# Allegro board BeagleBone_AI-64_Rev_B1_PCB_220602.brd (continued)
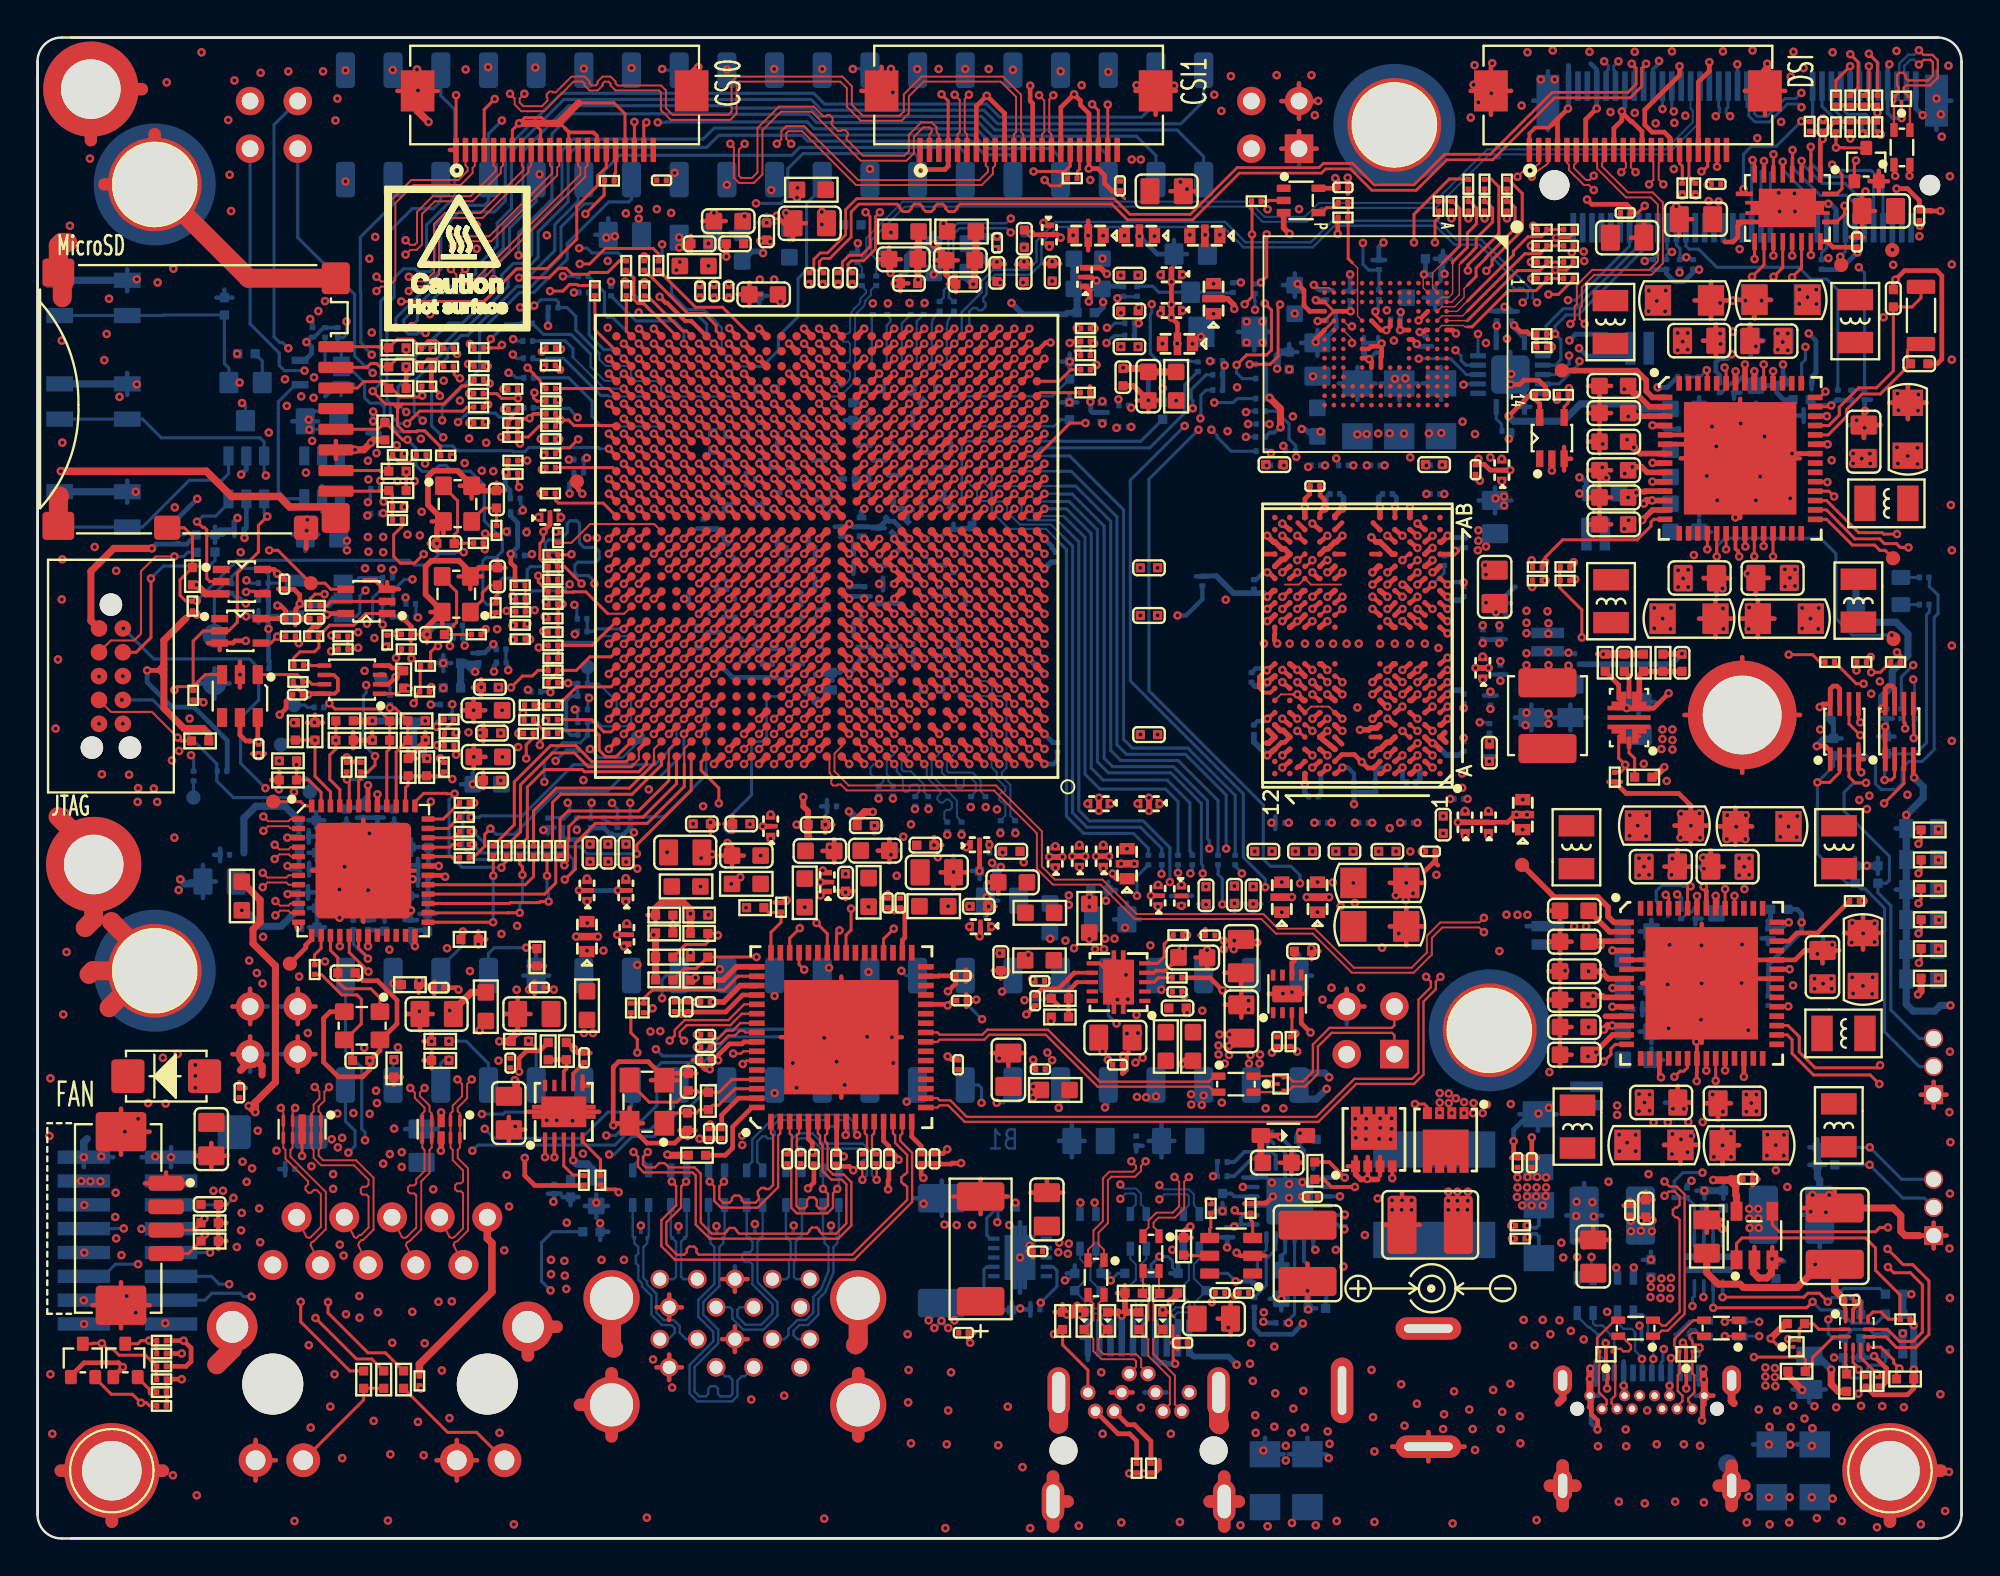
[diagram p0: board, top side]
## Copper pours and planes (outline as drawn; the poured copper is in the pictures) (continued)
DC_VDD_5V on BOTTOM: 86.51,14.16 85.7,14.16 85.49,13.96 85.49,12.92 85.9,12.51 87.42,12.51 87.93,13.02 87.93,13.99 88.09,14.14 88.77,14.14 88.85,14.22 88.85,14.44 88.8,14.49 86.84,14.49
DC_VDD_5V on BOTTOM: 63.22,29.02 63.22,30.67 62.91,30.98 61.47,30.98 60.98,30.5 60.98,23.26 61.42,22.83 63.35,22.83 63.65,23.13 63.65,28.59
DC_VDD_5V on L3-SIGNAL: 75.26,10.48 65.48,10.48 61.06,14.9 61.06,23.87 61.42,24.22 65.78,24.22 66.39,23.61 66.39,17.57 68.25,15.71 75.13,15.71 75.84,15 75.84,11.07
MB_3V3 on TOP: 5.41,25.57 2.64,25.57 1.73,24.65 1.73,19.17 2.16,18.74 3.48,18.74 3.63,18.89 3.63,23.38 4.01,23.77 5.46,23.77 5.64,23.94 5.64,25.34
MB_5V on BOTTOM: 5.97,19.4 8.56,19.4 8.76,19.6 8.76,21.68 9.57,22.5 10.92,22.5 11.35,22.06 11.35,19.12 10.74,18.51 8.76,18.51 8.56,18.71 5.99,18.71 5.76,18.94 5.76,19.19
PHY_VDD_1V1 on TOP: 26.9,27.68 26.9,29.94 27.05,30.09 29.21,30.09 29.67,29.63 29.67,28.95 29.46,28.74 28.73,28.74 28.34,28.36 28.34,27.58 28.04,27.27 27.3,27.27
PHY_VDD_1V1 on L5-SIGNAL: 21.44,35.55 13.18,35.55 12.98,35.75 12.98,36.67 16.69,40.38 20.5,40.38 21.74,39.13 21.74,35.86
PHY_VDD_1V1 on L9-PWR/GND: 23.47,29.89 22.6,30.75 19.81,30.75 19.38,31.18 19.38,33.49 19.58,33.7 22.12,33.7 22.76,34.33 22.76,35.6 22.63,35.73 21.64,35.73 21.54,35.63 20.85,35.63 20.72,35.75 20.72,39.39 20.95,39.62 21.87,39.62 22.05,39.44 27.53,39.44 28.4,38.57 28.4,28.29 27.81,27.7 24.03,27.7 23.47,28.26
PHY_VDDA_2V5 on BOTTOM: 10.11,33.37 10.28,33.19 11.22,33.19 11.38,33.34 11.38,36.49 11.15,36.72 10.26,36.72 10.11,36.57
PHY_VDDIO_3V3 on TOP: 21.66,27.58 21.66,28.87 21.56,28.97 21.56,29.51 21.82,29.76 24.08,29.76 24.28,29.56 24.28,28.92 24.03,28.67 23.37,28.67 23.06,28.36 23.06,27.55 22.68,27.17 22.07,27.17
PHY_VDDIO_3V3 on L9-PWR/GND: 22.83,28.16 22.83,29.68 22.1,30.42 18.67,30.42 18.36,30.73 18.36,33.42 19.2,34.26 21.79,34.26 22.12,34.59 22.12,35.3 21.94,35.48 21.56,35.48 21.49,35.4 19.84,35.4 19.33,35.91 19.33,42.43 17.83,43.93 13.41,43.93 12.49,43.02 12.49,41.19 14.86,38.83 14.86,28.85 16,27.7 22.38,27.7
SW_LM5141 on TOP: 74.47,22.47 74.47,24.15 74.7,24.38 76.4,24.38 76.96,23.82 77.29,23.82 77.47,23.64 77.47,22.85 77.01,22.39 75.82,22.39 75.77,22.44 75.77,22.98 75.72,23.03 75.59,23.03 75.56,23 75.56,22.44 75.49,22.37 75.16,22.37 75.11,22.42 75.11,23 75.08,23.03 74.95,23.03 74.93,23 74.93,22.44 74.88,22.39 74.55,22.39
SW_LM5141 on BOTTOM: 67.84,21.43 69.31,22.9 73.23,22.9 73.51,23.18 73.51,23.84 73.71,24.05 75.21,24.05 75.54,23.71 75.69,23.71 75.89,23.51 76.07,23.51 76.15,23.44 77.32,23.44 77.49,23.26 77.49,22.17 77.67,21.99 77.67,19.96 77.49,19.78 68.43,19.78 68.25,19.6 67.92,19.6 67.84,19.68
TPS62813_SW on TOP: 85.55,43.88 82.62,43.88 81.71,42.97 78.86,42.97 78.71,42.82 78.71,40.71 78.89,40.53 82.24,40.53 83.56,41.85 83.56,43.58 83.64,43.65 85.55,43.65 85.62,43.73 85.62,43.81
TYPEC_VBUS_5V on BOTTOM: 89.36,14.44 91.9,14.44 92.23,14.11 92.86,14.11 93.01,13.96 93.01,13.43 95.35,11.09 95.35,9.47 95.1,9.21 93.72,9.21 92.86,8.35 92.86,8.02 92.73,7.89 91.92,7.89 91.79,8.02 91.79,10.2 92.07,10.48 92.07,11.75 91.9,11.93 91.01,11.93 90.12,12.82 90.12,13.96 89.91,14.16 89.36,14.16 89.28,14.24 89.28,14.37
TYPEC_VBUS_5V on L9-PWR/GND: 87.42,7.28 84.3,7.28 84.02,7.56 84.02,10.89 87.3,14.16 93.62,14.16 95.88,11.9 95.88,8.22 95.5,7.84 91.95,7.84 91.67,8.12 91.67,9.64 91.41,9.9 89,9.9 87.78,8.68 87.78,7.64
VDA_DLL_0V8 on TOP: 53.65,32.89 53.65,34.39 53.8,34.54 55.24,34.54 55.34,34.43 55.34,32.99 55.04,32.69 53.85,32.69
VDA_DLL_0V8 on L7-PWR/GND: 61.01,60.44 61.49,60.93 61.49,67.02 60.02,68.5 56.69,68.5 56.44,68.24 56.44,62.81 58.8,60.44
VDA_DLL_0V8 on L8-PWR/GND: 86.43,56.35 83.77,56.35 82.8,57.32 81.48,57.32 80.97,56.81 80.97,54.32 83.18,52.11 83.18,48.78 77.37,42.97 66.83,42.97 57.2,33.34 53.16,33.34 52.73,33.77 52.73,38.57 64.23,50.08 79.98,50.08 80.26,50.36 80.26,51.5 78.51,53.26 78.51,58.94 80.16,60.6 85.77,60.6 86.94,59.43 86.94,56.86
VDA_DLL_0V8 on L10-SIGNAL: 60.48,60.8 65.96,60.8 66.55,60.21 76.58,60.21 76.66,60.29 80.16,60.29 80.47,59.99 80.95,59.99 82.09,58.84 85.16,58.84 85.57,58.44 85.57,56.84 85.24,56.51 80.39,56.51 78.74,58.16 73.48,58.16 72.59,57.27 61.64,57.27 60.2,58.72 60.2,60.52
VDA_MCU_1V8 on TOP: 85.37,58.97 84.55,58.97 84.38,58.79 84.38,57.95 84.71,57.62 85.9,57.62 86.08,57.8 86.08,58.26
VDA_MCU_1V8 on L9-PWR/GND: 30.86,51.63 30.86,51.66 31.06,51.86 37.1,51.86 37.13,51.83 37.13,51.4 36.98,51.25 36.47,51.25 36.32,51.1 36.32,50.69 36.19,50.56 35.66,50.56 35.53,50.44 35.53,47.74 36.27,47.01 36.27,45.82 35.94,45.49 35.51,45.49 29.87,39.84 22.73,39.84 16.76,45.81 16.76,67.33 26.16,76.72 60.07,76.72 61.36,75.43 67.94,75.43 68.76,74.62 68.76,73.37 69.52,72.61 70.15,72.61 70.81,71.95 73.76,71.95 74.42,72.61 95.81,72.61 98.8,69.61 98.8,59.99 96.62,57.8 84.63,57.8 84.25,58.18 84.25,61.28 84.83,61.87 90.6,61.87 91.16,62.42 91.16,66.69 89.48,68.37 83.64,68.37 82.9,69.1 81.13,69.1 80.39,68.37 71.22,68.37 70.14,69.45 68.06,69.45 65.81,71.7 60.5,71.7 59.59,72.61 30.78,72.61 21.26,63.08 21.26,46.93 22.48,45.71 24.94,45.71
VDA_PLL_1V8 on TOP: 82.47,31 83.21,31 84.22,29.99 84.22,29.79 84.1,29.66 82.47,29.66 82.24,29.89 82.24,30.78
VDA_PLL_1V8 on TOP: 39.22,69.43 38.56,69.43 38.4,69.59 38.4,70.43 38.12,70.7 37.34,70.7 37.13,70.5 37.13,69.61 37.39,69.36 37.39,68.72 37.23,68.57 37.23,67.99 37.46,67.76 38.73,67.76 39.47,68.5 39.47,69.18
VDA_PLL_1V8 on BOTTOM: 40.54,68.67 39.6,68.67 39.42,68.85 39.42,69.28 39.29,69.41 38.33,69.41 38.17,69.26 38.17,68.67 38.05,68.55 37.34,68.55 37.16,68.37 37.16,67.58 37.46,67.28 40.31,67.28 40.71,67.68 40.71,68.5
VDA_PLL_1V8 on L3-SIGNAL: 47.62,46.68 47.62,59.33 40.64,66.31 38.5,66.31 38,66.82 38,67.56 39.37,68.93 39.37,70.12 38.43,71.06 35.18,71.06 34.47,70.35 34.47,65.35 35.23,64.58 37.06,64.58 37.95,63.69 37.95,60.16 36.6,58.82 36.6,52.42 36.88,52.14 39.39,52.14 39.62,51.91 39.62,50 39.85,49.78 43.18,49.78 46.61,46.35 47.29,46.35
VDA_PLL_1V8 on L7-PWR/GND: 5.36,40.33 8.53,40.33 16.84,32.02 16.84,24.98 22.6,19.22 50.65,19.22 55.85,14.01 91.64,14.01 93.01,15.38 93.01,24.81 92.2,25.62 90.47,25.62 88.8,27.3 84.86,27.3 82.29,29.86 82.29,30.62 82.57,30.9 92.25,30.9 97.74,25.42 97.74,12.59 95.2,10.05 52.19,10.05 47.17,15.08 13.16,15.08 10.54,17.7 10.54,33.06 4.93,38.68 4.93,39.89
VDA_PLL_1V8 on L8-PWR/GND: 38.56,68.27 37.11,69.71 22.38,69.71 10.06,57.4 10.06,39.87 9.22,39.03 5,39.03 3.78,40.25 3.78,62.3 17.78,76.29 36.37,76.29 40.38,72.28 40.38,68.62 40.03,68.27
VDA_PLL_1V8 on L12-SIGNAL: 35.33,52.22 35.33,56.92 36.2,57.78 38.33,57.78 38.56,57.55 38.56,52.37 38.41,52.22
VDA_USB_3V3 on TOP: 82.19,27.75 82.19,27.07 82.37,26.89 82.93,26.89 83.06,27.02 83.06,27.4 83.31,27.65 83.64,27.65 83.77,27.78 83.77,27.98 83.67,28.08 82.52,28.08
VSYS_3V3 on TOP: 92.81,61.26 92.81,62.3 92.48,62.63 92.48,64.35 92.61,64.48 93.44,64.48 93.62,64.3 93.62,62.78 93.09,62.25 93.09,61.26 93.01,61.18 92.89,61.18
VSYS_3V3 on TOP: 65.83,28.31 65.35,28.31 65.1,28.06 65.1,27.58 64.79,27.27 63.02,27.27 62.53,26.79 62.53,26.18 62.3,25.95 60.96,25.95 60.75,25.75 60.75,25.14 60.93,24.96 63.22,24.96 64.41,26.15 65.38,26.15 65.86,26.64 66.24,26.64 66.44,26.84 66.44,28.26 66.39,28.31 66.24,28.31 66.22,28.29 66.22,27.75 66.16,27.7 65.96,27.7 65.91,27.75 65.91,28.24
VSYS_3V3 on TOP: 27.02,21.63 26.72,21.63 26.59,21.51 26.59,20.16 26.87,19.88 27.56,19.88 27.84,20.16 27.84,20.79 27.63,21 27.63,21.58 27.58,21.63 27.48,21.63 27.43,21.58 27.43,21.02 27.4,21 27.15,21 27.13,21.02 27.13,21.53
VSYS_3V3 on TOP: 86.54,33.29 86.54,34.74 86.1,35.17 86.1,36.47 85.93,36.64 85.16,36.64 84.96,36.44 84.96,34.94 85.27,34.64 85.95,34.64 86.26,34.33 86.26,33.29 86.31,33.24 86.48,33.24
VSYS_3V3 on TOP: 64.56,14.32 65.35,14.32 65.61,14.06 65.61,11.47 65.38,11.24 64.72,11.24 64.41,11.55 64.41,13.25 64.26,13.4 64.26,14.01
VSYS_3V3 on TOP: 85.93,22.44 85.06,22.44 84.83,22.67 84.83,23.94 85.16,24.27 85.62,24.27 86.26,24.91 86.26,25.8 86.33,25.87 86.46,25.87 86.54,25.8 86.54,25.19 86.74,24.98 86.74,24.55 86.1,23.92 86.1,22.62
VSYS_3V3 on TOP: 95.22,57.47 94.44,57.47 94.36,57.4 94.36,57.27 94.44,57.19 96.39,57.19 96.77,56.81 97.69,56.81 97.91,57.04 97.91,57.93 97.79,58.06 95.81,58.06
VSYS_3V3 on TOP: 88.59,61.28 88.59,62.73 88.16,63.16 88.16,64.46 87.98,64.63 87.22,64.63 87.02,64.43 87.02,62.93 87.32,62.63 88.01,62.63 88.31,62.32 88.31,61.28 88.36,61.23 88.54,61.23
VSYS_3V3 on TOP: 87.98,50.46 87.12,50.46 86.89,50.69 86.89,51.96 87.22,52.29 87.68,52.29 88.31,52.92 88.31,53.81 88.39,53.89 88.52,53.89 88.59,53.81 88.59,53.2 88.8,53 88.8,52.57 88.16,51.93 88.16,50.64
VSYS_3V3 on TOP: 93.17,29.48 92.38,29.48 92.3,29.4 92.3,29.28 92.38,29.2 94.33,29.2 94.71,28.82 95.63,28.82 95.86,29.05 95.86,29.94 95.73,30.06 93.75,30.06
VSYS_3V3 on TOP: 83.89,43.37 87.25,43.37 87.45,43.17 87.45,42 87.25,41.8 85.39,41.8 85.21,41.98 85.21,42.66 85.42,42.87 85.95,42.87 86,42.92 86,43.07 85.93,43.15 83.87,43.15 83.82,43.2 83.82,43.3
VSYS_3V3 on TOP: 93.01,53.79 92.89,53.79 92.81,53.71 92.81,53.18 92.63,53 92.63,52.14 92.78,51.99 92.78,50.59 92.94,50.44 93.75,50.44 93.9,50.59 93.9,51.99 93.09,52.8 93.09,53.71
VSYS_3V3 on TOP: 90.75,33.29 90.75,34.33 90.42,34.66 90.42,36.39 90.55,36.52 91.39,36.52 91.56,36.34 91.56,34.81 91.03,34.28 91.03,33.29 90.96,33.21 90.83,33.21
VSYS_3V3 on TOP: 8.33,25.47 9.93,25.47 10.21,25.19 10.21,23.84 10.44,23.61 10.92,23.61 11,23.54 11,22.09 10.62,21.71 8.71,21.71 8.56,21.86 8.56,23.33 8.02,23.87 8.02,25.16
VSYS_3V3 on TOP: 78.74,19.83 78.53,19.63 78.53,17.64 78.74,17.44 80.44,17.44 80.62,17.62 80.62,19.65 80.44,19.83
VSYS_3V3 on TOP: 90.96,25.8 90.83,25.8 90.75,25.72 90.75,25.19 90.57,25.01 90.57,24.15 90.73,23.99 90.73,22.6 90.88,22.44 91.69,22.44 91.84,22.6 91.84,23.99 91.03,24.81 91.03,25.72
VSYS_3V3 on BOTTOM: 81,17.42 81,20.24 80.57,20.67 78.86,20.67 78.53,20.34 78.53,17.39 78.81,17.11 80.69,17.11
VSYS_3V3 on BOTTOM: 93.67,61.61 93.67,64.41 93.5,64.58 92.73,64.58 92.53,64.38 92.53,62.37 93.09,61.81 93.09,61.51 93.19,61.41 93.47,61.41
VSYS_3V3 on BOTTOM: 16.79,52.44 15.92,52.44 15.57,52.8 15.57,54.63 15.85,54.91 15.85,55.69 16.08,55.92 16.51,55.92 17.09,55.34 17.09,52.75
VSYS_3V3 on BOTTOM: 87.98,50.44 86.38,50.44 86,50.82 86,54.53 85.8,54.73 85.47,54.73 85.32,54.88 85.32,55.24 85.47,55.39 85.67,55.39 85.85,55.57 85.85,60.34 86.33,60.82 87.22,60.82 87.42,60.62 87.42,59.55 87.53,59.45 87.53,53.05 87.65,52.92 88.34,52.92 88.54,52.72 88.54,52.16 88.21,51.83 88.21,50.66
VSYS_3V3 on BOTTOM: 90.8,22.65 90.8,24.07 90.57,24.3 90.57,26.03 92.1,27.55 93.34,27.55 93.62,27.83 93.62,28.52 93.14,29 93.14,29.86 93.34,30.06 95.81,30.06 96.11,29.76 96.11,23.18 95.17,22.24 91.21,22.24
VSYS_3V3 on BOTTOM: 84.96,43.37 87.22,43.37 87.48,43.12 87.48,41.9 87.25,41.67 84.96,41.67 84.66,41.98 84.66,43.07
VSYS_3V3 on BOTTOM: 90.63,36.57 91.84,36.57 92.1,36.31 92.1,34.94 91.44,34.28 90.93,34.28 90.42,34.79 90.42,36.36
VSYS_3V3 on BOTTOM: 28.47,18.86 27.91,18.86 27.84,18.79 27.33,18.79 26.67,19.45 26.67,20.36 26.87,20.57 27.96,20.57 28.17,20.36 28.17,19.85 28.62,19.4 28.62,19.02
VSYS_3V3 on BOTTOM: 85.93,22.5 84.86,22.5 84.73,22.62 84.73,23.51 84.02,24.22 84.02,26.64 83.84,26.81 83.41,26.81 83.13,27.09 83.13,28.13 83.56,28.57 83.56,36.21 84.02,36.67 85.85,36.67 86.05,36.47 86.05,34.36 84.88,33.19 84.88,28.67 85.06,28.49 85.06,27.65 84.91,27.5 84.91,25.04 85.09,24.86 86.59,24.86 86.76,24.68 86.76,24.53 86.13,23.89 86.13,22.7
VSYS_3V3 on L3-SIGNAL: 83.67,29.68 92.35,29.68 92.83,30.17 95.78,30.17 96.19,29.76 96.19,21.45 95.02,20.29 85.8,20.29 81.99,16.48 78.51,16.48 78.03,16.96 78.03,19.52 80.16,21.66 89.51,21.66 90.12,22.27 90.12,23.97 88.54,25.54 83.82,25.54 83.06,26.31 83.06,29.07
VSYS_3V3 on L7-PWR/GND: 22.25,78.43 68.48,78.43 68.88,78.02 68.88,73.52 70.61,71.8 101.75,71.8 101.93,71.62 101.93,30.27 100.58,28.92 94.71,28.92 91.95,31.69 85.67,31.69 84.88,32.48 84.88,36.29 85.16,36.57 94.28,36.57 94.82,37.1 94.82,40.43 93.52,41.72 84.76,41.72 83.13,43.35 83.13,56.15 84.61,57.62 95.65,57.62 96.09,58.06 97.74,58.06 97.89,57.9 97.89,57.04 98.63,56.3 100.4,56.3 100.99,56.89 100.99,59.99 98.78,62.2 72.72,62.2 72.26,62.65 72.26,64.79 70.56,66.49 67.13,66.49 61.21,72.41 47.67,72.41 45.26,74.82 33.5,74.82 25.47,66.79 25.47,34.1 33.25,26.33 61.62,26.33 62.38,27.09 63.6,27.09 63.8,26.89 65.02,26.89 72.41,19.5 84.22,19.5 85.11,20.39 85.11,23.79 86.13,24.81 87.4,24.81 88.21,23.99 89.51,23.99 90.42,24.91 91.49,24.91 92.23,24.17 92.23,16.09 90.73,14.6 56.79,14.6 51.53,19.85 23.26,19.85 17.83,25.29 17.83,31.89 8.46,41.27 8.46,64.63 ; 1 cut-out
VSYS_3V3 on L8-PWR/GND: 100.66,27.63 98.12,30.17 93.27,30.17 91.21,28.11 88.49,28.11 85.72,25.34 81.58,25.34 80.47,24.22 71.22,24.22 65.35,18.36 62,18.36 61.62,17.97 61.62,11.57 62.33,10.86 98.7,10.86 100.66,12.82 ; 1 cut-out
VSYS_3V3 on L9-PWR/GND: 95.63,29.05 90.55,29.05 84.86,34.74 84.86,36.31 85.04,36.49 86.26,36.49 88.82,33.93 89.71,33.93 89.94,34.15 89.94,36.08 84.86,41.16 84.86,43.25 85.34,43.73 87.32,43.73 87.81,43.25 87.81,42.28 93.19,36.9 93.19,31.46 93.98,30.67 95.55,30.67 95.88,30.34 95.88,29.3
VSYS_3V3 on L9-PWR/GND: 8.53,23.77 8.05,23.77 7.73,24.08 7.73,27.06 9.6,28.92 9.6,32.05 7.9,33.75 7.9,37.38 6.09,39.18 6.09,48.45 7.95,50.31 15.29,50.31 15.9,49.7 15.9,45.25 15.09,44.44 13.03,44.44 12.01,43.43 12.01,40.38 14.07,38.32 14.07,25.67 13.28,24.88 9.65,24.88
VSYS_5V0 on TOP: 86.74,17.36 86.97,17.14 86.97,15.71 86.66,15.41 84.99,15.41 84.58,15.82 84.58,17.29 84.66,17.36
VSYS_5V0 on TOP: 68.17,18.41 68.07,18.3 68.07,17.97 67.97,17.87 66.11,17.87 65.91,17.67 65.91,16.3 66.27,15.94 69.01,15.94 69.54,15.41 69.54,12.82 70.2,12.16 77.21,12.16 78,12.95 78,20.9 77.14,21.76 74.32,21.76 73.81,21.25 73.81,19.32 74.95,18.18 74.95,15 74.67,14.72 71.47,14.72 71.04,15.16 71.04,17.85 70.48,18.41
VSYS_5V0 on TOP: 7.9,18.08 8.86,19.04 9.98,19.04 10.18,18.84 10.18,18.36 10.06,18.23 9.14,18.23 8.94,18.03 8.94,17.64 8.61,17.31 6.65,17.31 6.53,17.44 6.53,17.95 6.65,18.08
VSYS_5V0 on TOP: 53.44,17.64 54.66,17.64 55.14,17.16 55.14,14.98 54.94,14.77 53.82,14.77 53.44,15.16 53.44,15.54 53.06,15.92 53.06,17.26
VSYS_5V0 on BOTTOM: 53.64,15.59 54.05,15.59 54.56,16.09 54.96,16.09 55.19,15.87 55.19,15.1 55.04,14.95 54.46,14.95 54.02,15.38 53.67,15.38 53.59,15.46 53.59,15.54
VSYS_5V0 on BOTTOM: 88.11,15.18 89.89,15.18 90.02,15.31 90.02,16.91 90.42,17.31 90.42,18.43 90.83,18.84 92.43,18.84 92.66,18.61 92.66,15.79 91.72,14.85 86.97,14.85 86.1,15.71 84.96,15.71 84.66,16.02 84.66,18.33 84.94,18.61 86.41,18.61 86.76,18.25 86.76,17.92 87.93,16.76 87.93,15.36
VSYS_5V0 on BOTTOM: 14.3,22.44 16.05,22.44 16.3,22.19 16.3,21.96 16.56,21.71 16.56,21.02 17.02,20.57 21.03,20.57 21.44,20.16 21.44,18.51 21.13,18.2 16.23,18.2 16.05,18.03 14.37,18.03 13.61,18.79 13.61,19.98 13.79,20.16 13.79,21.94
VSYS_5V0 on BOTTOM: 59.89,30.7 58.67,30.7 58.27,30.29 58.27,23.46 57.66,22.85 57.02,22.85 56.44,22.27 56.44,20.69 56.67,20.46 57.38,20.46 58.24,21.33 58.8,21.33 58.95,21.48 58.95,21.94 60.37,23.36 60.37,30.22
VSYS_5V0 on L3-SIGNAL: 75.94,16.43 68.55,16.43 67.1,17.87 67.1,26.13 67.56,26.59 70,26.59 70.51,26.08 70.51,24.38 71.28,23.6 72.25,23.6 76.66,19.19 76.66,17.14
VSYS_5V0 on L9-PWR/GND: 52.27,17.19 50.62,17.19 47.39,20.41 25.6,20.41 24.41,21.61 11.55,21.61 9.12,19.17 9.12,16.7 10.49,15.33 45.41,15.33 49.63,11.12 69.21,11.12 70.38,12.28 75.56,12.28 77.19,10.66 83.11,10.66 87.09,14.65 91.62,14.65 91.9,14.93 91.9,17.67 91.77,17.8 77.37,17.8 76.43,18.74 53.82,18.74
VSYS_5V0 on L10-SIGNAL: 89.2,14.16 89.2,12.28 87.58,10.66 77.19,10.66 75.58,12.27 70.37,12.27 69.21,11.12 66.67,11.12 66.04,11.75 66.04,17.59 67,18.56 70.43,18.56 70.64,18.36 70.64,17.47 70.38,17.21 70.38,16.73 70.53,16.58 72.92,16.58 75.11,18.76 76.63,18.76 80.74,14.65 84.05,14.65 84.43,15.03 84.43,17.42 84.91,17.9 91.51,17.9 91.79,17.62 91.79,15.33 91.31,14.85 89.89,14.85
VSYS_5V0 on L12-SIGNAL: 58.27,23.08 59.71,23.08 60.86,21.94 67.08,21.94 70.43,25.29 70.43,26.48 69.64,27.27 62.81,27.27 61.52,25.98 58.01,25.98 57.63,25.59 57.63,23.71
VSYS_IO_1V8 on BOTTOM: 81.3,32.45 81.3,33.39 80.85,33.85 78.33,33.85 78.03,33.54 78.03,32.66 78.28,32.4 81.25,32.4
VSYS_IO_1V8 on L5-SIGNAL: 69.52,64.63 68.07,64.63 67.82,64.89 66.8,64.89 66.6,65.09 66.6,71.29 67.97,72.66 79.27,72.66 80.92,71.01 80.92,67.89 79.96,66.92 70.76,66.92 70.43,66.59 70.43,65.55
VSYS_IO_1V8 on L5-SIGNAL: 37.77,55.44 26.54,55.44 26.29,55.19 26.29,54.47 26.57,54.19 37.79,54.19 38.12,54.53 38.12,55.08
VSYS_IO_1V8 on L8-PWR/GND: 44.85,56.89 45.46,57.5 45.46,64.69 50.57,69.79 69.64,69.79 70.33,69.1 70.33,65.45 70.05,65.17 69.49,65.17 68.88,64.56 68.88,60.34 68.27,59.73 65.2,59.73 61.75,56.28 48.05,56.28 47.39,55.62 47.39,54.25 46.94,53.79 26.74,53.79 26.41,54.12 26.41,54.68 28.62,56.89
VSYS_IO_1V8 on L10-SIGNAL: 80.36,32.35 78.15,32.35 77.72,32.78 77.72,34.46 83.21,39.95 87.55,39.95 88.06,40.45 99.34,40.45 100.05,39.74 100.05,39.18 98.78,37.91 98.78,35.93 97.81,34.97 87.04,34.97 85.52,33.44 81.46,33.44
VSYS_IO_1V8 on L10-SIGNAL: 79.86,68.24 79.17,68.24 78.31,67.38 78.31,64.58 78.56,64.33 79.37,64.33 80.31,65.27 80.52,65.27 81.46,66.21 81.46,66.64
VSYS_IO_1V8 on L12-SIGNAL: 79.25,67.96 79.25,70.02 79.86,70.63 89.48,70.63 95.07,76.22 98.75,76.22 100.81,74.16 100.81,39.08 100.28,38.55 96.42,38.55 94.99,39.97 94.99,47.16 96.52,48.68 96.52,66.87 95.65,67.73 92.3,67.73 91.82,67.25 79.96,67.25
VSYS_IO_3V3 on TOP: 59.69,71.52 59.69,73.5 59.33,73.85 58.19,73.85 57.61,74.44 57.45,74.44 57.38,74.36 57.38,72.38 57.5,72.25 57.86,72.25 58.77,71.34 59.51,71.34
VSYS_IO_3V3 on TOP: 99.64,71.52 98.85,71.52 98.58,71.24 98.58,69.84 99.49,68.93 100.35,68.93 100.66,69.23 100.66,70.2 100.51,70.35 100.02,70.35 99.92,70.45 99.92,71.24
VSYS_IO_3V3 on TOP: 88.75,69.99 88.75,71.67 88.87,71.8 89.33,71.8 89.58,72.05 89.58,72.71 89.84,72.97 89.84,74.49 89.96,74.62 90.45,74.62 90.63,74.44 90.63,72.05 90.37,71.8 90.37,69.99 90.02,69.64 89.1,69.64
VSYS_IO_3V3 on TOP: 82.14,70.45 82.5,70.81 84.38,70.81 84.43,70.76 84.43,68.16 84.05,67.78 82.29,67.78 82.14,67.94
VSYS_IO_3V3 on TOP: 53.72,29.53 54.1,29.53 55.45,30.88 56.51,30.88 56.64,31 56.94,31 57.02,31.08 57.02,31.44 57.07,31.49 57.35,31.49 57.63,31.77 57.63,32.12 57.45,32.3 56.87,32.3 56.26,31.69 54.13,31.69 53.64,31.21 53.64,30.37 53.54,30.27 53.54,29.71
VSYS_IO_3V3 on TOP: 32.66,73.24 31.72,72.31 31.72,70.17 31.98,69.92 32.89,69.92 33.27,70.3 33.27,71.87 33.09,72.05 33.09,72.56 33.35,72.81 33.35,74.51 33.22,74.64 32.76,74.64 32.66,74.54
VSYS_IO_3V3 on TOP: 65.86,29.73 65.28,29.73 65.05,29.96 65.05,31.08 64.92,31.21 63.17,31.21 62.63,31.74 62.63,32.3 62.81,32.48 65.12,32.48 65.91,31.69 66.24,31.69 66.44,31.49 66.44,29.79 66.39,29.73 66.24,29.73 66.22,29.76 66.22,30.32 66.19,30.34 65.96,30.34 65.94,30.32 65.94,29.81
VSYS_IO_3V3 on BOTTOM: 31.72,69.16 31.72,70.93 31.95,71.16 32.64,71.16 32.84,70.96 32.84,69.13 32.64,68.93 31.95,68.93
VSYS_IO_3V3 on BOTTOM: 72.34,66.49 72.24,66.39 72.24,65.42 72.49,65.17 72.49,64.81 72.31,64.63 72.31,64.28 72.46,64.13 72.85,64.13 73.33,64.61 73.33,66.39 73.23,66.49
VSYS_IO_3V3 on BOTTOM: 64.21,30.9 63.9,31.21 60.98,31.21 60.88,31.31 60.88,32.3 61.01,32.43 64.56,32.43 66.44,30.55 66.44,23.21 65.12,21.89 65.12,21.07 64.97,20.92 64.13,20.92 63.7,20.49 61.49,20.49 61.24,20.74 61.24,21.94 61.57,22.27 63.32,22.27 64.21,23.16
VSYS_IO_3V3 on BOTTOM: 100.76,70.48 100.76,68.72 100.51,68.47 99.44,68.47 99.18,68.72 99.18,70.58 99.24,70.63 99.41,70.63 99.44,70.6 99.44,69.08 99.46,69.05 99.67,69.05 99.69,69.08 99.69,70.53 99.79,70.63 100.61,70.63
VSYS_IO_3V3 on BOTTOM: 82.45,69.05 82.55,68.95 82.88,68.95 83.01,68.83 83.01,68.16 82.45,67.61 81.23,67.61 80.64,68.19 80.64,68.93 81.13,69.41 81.13,69.92 81.66,70.45 81.94,70.45 81.96,70.43 81.96,69.05 81.99,69.03 82.12,69.03 82.17,69.08 82.17,70.37 82.24,70.45 82.32,70.45 82.45,70.32
VSYS_IO_3V3 on L3-SIGNAL: 35.61,47.32 35.61,50.62 35.48,50.75 35.48,57.52 35.61,57.65 36.19,57.65 36.32,57.52 36.32,52.16 37.52,50.96 37.52,47.7 36.93,47.11 35.82,47.11
VSYS_IO_3V3 on L5-SIGNAL: 50.77,68.39 58.44,68.39 59.89,69.84 59.89,73.24 59.08,74.06 56.94,74.06 56.44,73.55 56.44,72.1 55.9,71.57 50.77,71.57 50.29,71.09 50.29,68.88
VSYS_IO_3V3 on L5-SIGNAL: 5.94,53.05 6.42,53.05 7.44,52.04 16.53,52.04 17.19,51.38 17.85,51.38 18.34,51.86 19.28,51.86 19.51,51.63 26.54,51.63 27.58,50.59 27.58,48.33 27.18,47.92 26.44,47.92 24.61,49.75 17.14,49.75 16.2,50.69 10.89,50.69 9.9,49.7 9.78,49.7 9.9,49.57 14.07,49.57 14.48,49.17 14.48,47.57 14.25,47.34 13.84,47.34 12.88,48.3 12.52,48.3 11.17,46.96 7.44,46.96 6.45,47.95 6.45,51.4 6.25,51.6 5.89,51.6 5.71,51.78 5.71,52.82
VSYS_IO_3V3 on L7-PWR/GND: 38.35,48.45 38.35,51.4 37.97,51.78 37.49,51.78 37.06,52.21 37.06,56.63 36.02,57.67 33.65,57.67 33.32,57.34 33.32,56 33.78,55.54 33.78,40.5 37.29,37 39.49,37 40.64,38.14 40.64,46.17
VSYS_IO_3V3 on L8-PWR/GND: 90.17,67.4 81.15,67.4 80.39,66.64 80.39,63.85 79.73,63.19 76.93,63.19 76.71,63.42 76.71,68.55 79.12,70.96 83.59,70.96 84.58,71.95 89.3,71.95 91.77,69.49 97.58,69.49 98.65,70.55 100.12,70.55 100.53,70.15 100.53,66.67 100.07,66.21 91.36,66.21
VSYS_IO_3V3 on L8-PWR/GND: 48.26,53.59 68.53,53.59 73.61,58.67 73.61,65.27 73.2,65.68 71.63,65.68 70.2,64.25 70.2,60.49 67.51,57.8 63.96,57.8 62.14,55.99 52.74,55.99 52.73,55.97 48.56,55.97 47.78,55.19 47.78,54.07
VSYS_IO_3V3 on L9-PWR/GND: outline of 96 points within 4.09,8.7 101.04,72.1
VSYS_IO_3V3 on L10-SIGNAL: 21.44,42.87 20.67,42.87 20.39,43.15 20.39,47.92 20.85,48.38 22.15,48.38 22.5,48.02 22.5,46.68 22.05,46.22 22.05,43.48
VSYS_IO_3V3 on L10-SIGNAL: 23.44,26.56 24.28,26.56 24.99,27.27 24.99,34.33 25.83,35.17 25.83,45.36 26.03,45.56 26.97,45.56 27.28,45.25 28.45,45.25 28.57,45.38 28.57,48.18 28.17,48.58 26.87,48.58 25.7,47.41 24.25,47.41 23.04,46.19 23.04,26.97
VSYS_IO_3V3 on L10-SIGNAL: 59.13,64.43 59.13,67.81 57.25,69.69 56.56,69.69 55.4,68.52 55.4,66.34 57.88,63.85 58.54,63.85
VSYS_IO_3V3 on L12-SIGNAL: 65.66,31.06 65.66,33.06 65.25,33.47 55.29,33.47 54.94,33.11 54.94,31.18 55.37,30.75 65.35,30.75
N31698113 on BOTTOM: 71.6,16.78 77.67,16.78 77.84,16.62 77.84,16.16 78.38,15.61 80.77,15.61 80.92,15.46 80.92,12.97 80.41,12.46 71.65,12.46 71.12,13 71.12,16.3
GND on L3-SIGNAL (solid shape): 71.68,49.26 71.74,49.27 71.82,49.23 71.91,49.21 72,49.23 72.09,49.26 72.14,49.26 72.16,49.2 72.15,49.17 72.15,49.15 72.15,48.87 71.72,48.44 71.69,48.38 71.67,48.32 71.67,48.1 71.58,48.02 71.43,48.02 71.39,48.06 71.33,48.1 71.27,48.11 71.25,48.11 71.18,48.18 71.18,48.45 71.62,48.89 71.66,48.95 71.67,49.01 71.67,49.15 71.67,49.18 71.66,49.21
GND on L3-SIGNAL (solid shape): 67.58,50.16 67.62,50.03 67.71,49.93 67.71,49.81 67.62,49.69 67.58,49.54 67.59,49.48 67.61,49.42 67.62,49.39 67.56,49.33 67.43,49.46 67.44,49.54 67.11,49.88 66.78,49.54 66.79,49.48 66.81,49.42 66.82,49.39 66.76,49.33 66.63,49.46 66.64,49.54 66.62,49.67 66.55,49.78 66.53,49.79 66.53,49.91 66.57,49.94 66.64,50.04 66.67,50.16 66.67,50.21 67.58,50.21

Small or netless copper shapes (teardrops, artwork), in the pictures only: 3 on L3-SIGNAL, 2 on BOTTOM

## Text on the board
BOTTOM: B1
Ref Des/Assembly Bottom: BOTTOM ASSEMBLY
Ref Des/Silkscreen Bottom: EEP_WP | GND | 45 | 46 | Rev B | 2 | 1 | E3 | E4 | E1 | E2 | TXD | RXD | Debug | USB Type C 5V | UART0 | WKUP | mikroBUS | RST | BOOT | PWR | ETH | USB3.0 | Mini DP | 5V | DC Jack | PCIe M.2 Key E
User.Comments: BOARD NAME: | REV: B1 | DATE: 06/02/2022 | DESCRIPTION: | SHEET | OF | 19 | SCALE: 1 | Seeed
Ref Des/Assembly Top: TOP ASSEMBLY
Ref Des/Silkscreen Top: JTAG | MicroSD | FAN | CSI0 | CSI1 | DSI
PAGE_OUTLINE: LAYERS STACKUP | L12 INNER | L13 INNER | L14 BOTTOM | L11 INNER | L10 INNER | L4 INNER | L2 INNER | L5 INNER | L9 INNER | L3 INNER | L6 INNER | L7 INNER | PREPREG | L8 INNER | TOP | L11INNER | L10INNER | LAYER | MATERIAL | COPPER | FR4 | THICKNESS | 3mil | 8.2mil | 4.3mil | 6.7mil | 1 OZ | 0.5 OZ | LAYER TYPE | ROUTING | PLANE | SINGLE 38ohm+/-10% | Line width(mil) | W:6.8 | W:9.9 | SINGLE 40ohm+/-10% | W:10.4 | W:6.25 | SINGLE 50ohm+/-10% | IMPEDANCE | W:5 | W:4 | W:6.5 | DIFFERENCE 76ohm+/-10% | Line width/Space(mil) | W:6.4/S:5.6 | DIFFERENCE 80ohm+/-10% | W:5.93/S:6.07 | W:6.56/S:4.94 | DIFFERENCE 85ohm+/-10% | W:5.35/S:6.15 | W:6/S:5.5 | DIFFERENCE 90ohm+/-10% | W:5.1/S:5.4 | W:4.82/S:6.18 | DIFFERENCE 100ohm+/-10% | W:4.07/S:7.93 | W:4.18/S:6.32 | LAYOUT BY | SIGNATURES | 0602 22 | DATE | SIZE | SCALE: | D | NONE | SHEET 1 OF 19 | Rev | B1 | Seeed | LAYERS LAMINATION & IMPEDANCE CONTROL | THE TOTAL THICKNESS:2.0mm+/-10%
PLACE_BOUND_BOTTOM: 15. | 17. | 16. | PCB SHALL BE MANUFACTURED USING I-SPEED OR EQUIVALENT. | ENSURE THAT UL REGISTERED E-FILE NUMBER SHALL BE PRINTED ON PCB SILKSCREEN. | FOR DETAILED STACKUP REFER "StackUp". | ALL THE IMPEDANCE SHALL BE MATCHED AS PER IMPEDANCE TABLE WITH +/-10% TOLERANCE. | ALL UNCONNECTED VIA'S SHALL BE SUPPRESSED IN INTERNAL LAYERS. | ALL VIA HOLES SHALL BE FILLED AND CAP PLATED AS PER TYPE VII REQUIREMENT. | DETAIL-A
User.45: 12 | GROUND-PLANE-05 | GROUND-PLANE-06 | INNER-SIGNAL-4 | INNER-SIGNAL-6 | INNER-SIGNAL-5 | 13 | 18 | 15 | 16 | 17 | FIGURE | FINISHED_SIZE | 7.99 | 8.0 | 13.78 | 20.0 | 27.56 | 32.0 | 35.0 | 35.43 | 41.34 | 66.93 | 90.55 | 125.0 | 165.35 | 173.23 | 29.53 | 43.31 | 47.24 | 59.06 | 62.99 | 127.95 | 43.31x19.68 | 51.18x19.68 | 70.87x27.56 | 86.61x27.56 | 102.36x17.72 | ROTATION | - | 90.000 | 0.000 | DRILL CHART: TOP to BOTTOM | ALL UNITS ARE IN MILS | SLOT HOLES: TOP to BOTTOM | TOLERANCE_DRILL | +3.0/-3.0 | +3.0/-4.0 | +0.0/-0.0 | PLATED | NON-PLATED | QTY | 28 | 3142 | 10 | 6 | 2 | 14 | 4 | 1 | 3 | 3272 | 11 | TOTAL HOLES:
